# Allegro board Flatburn-main PCB.brd
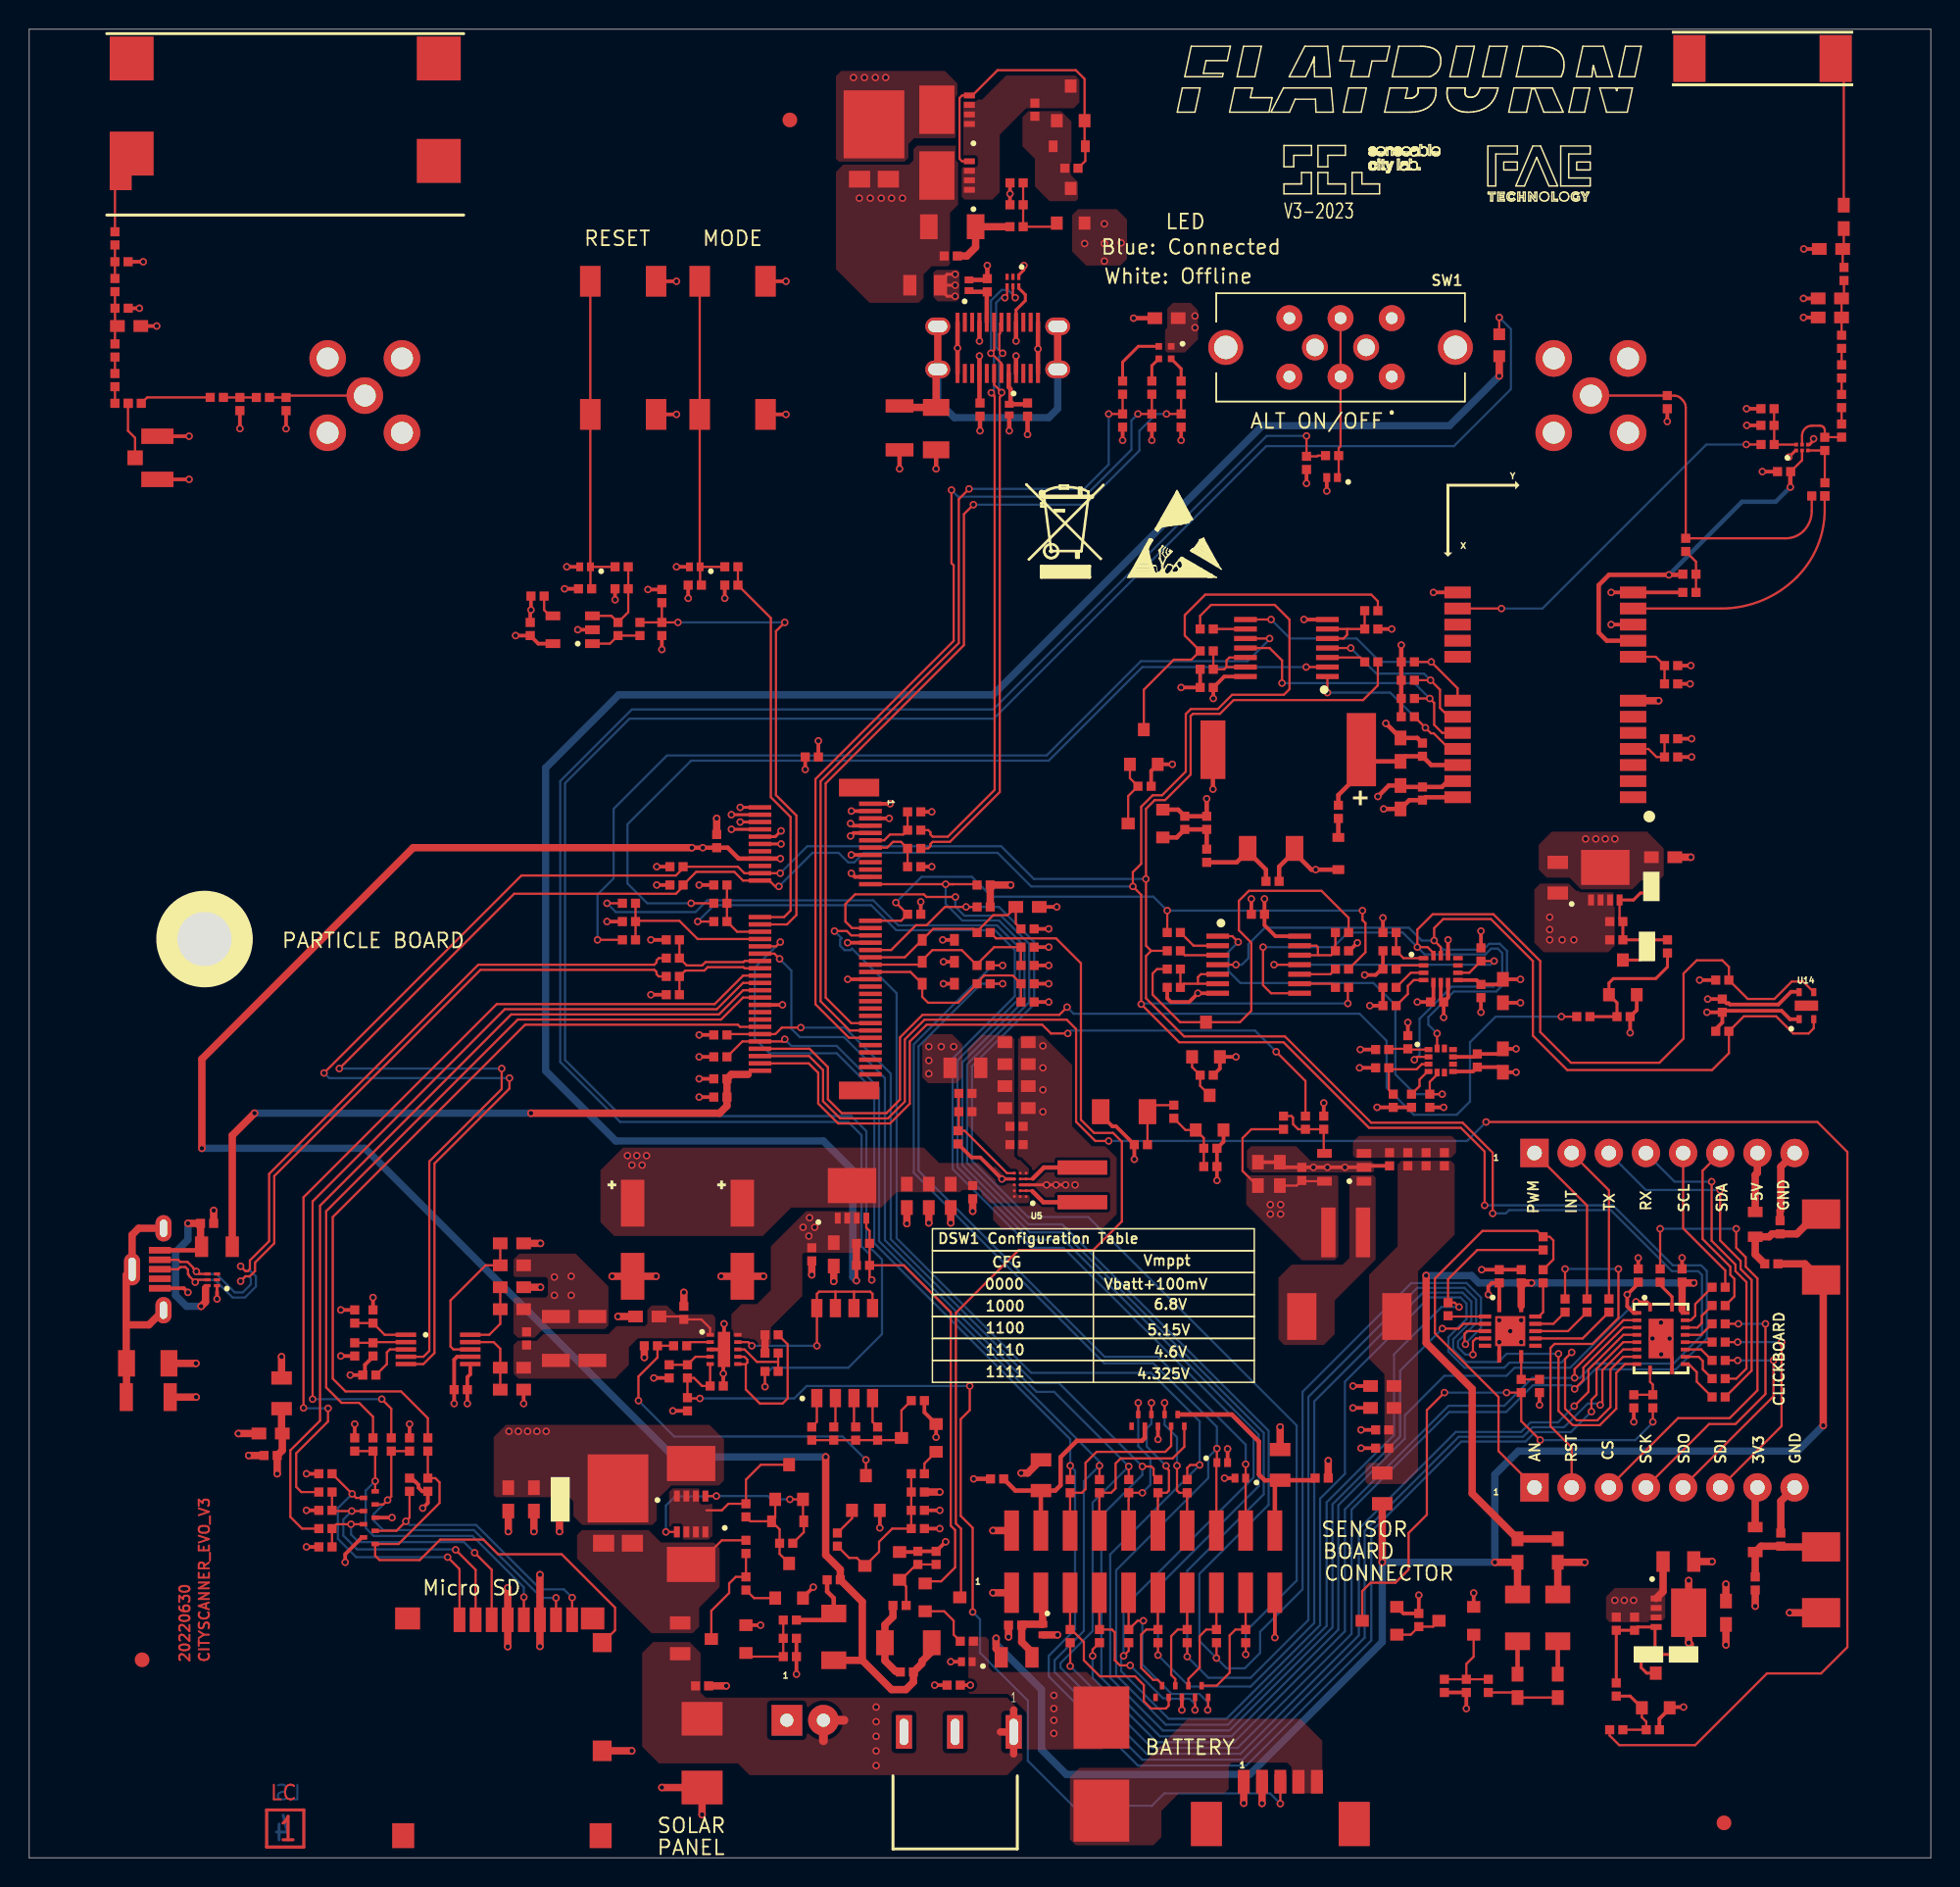
[diagram p0: board, top side]
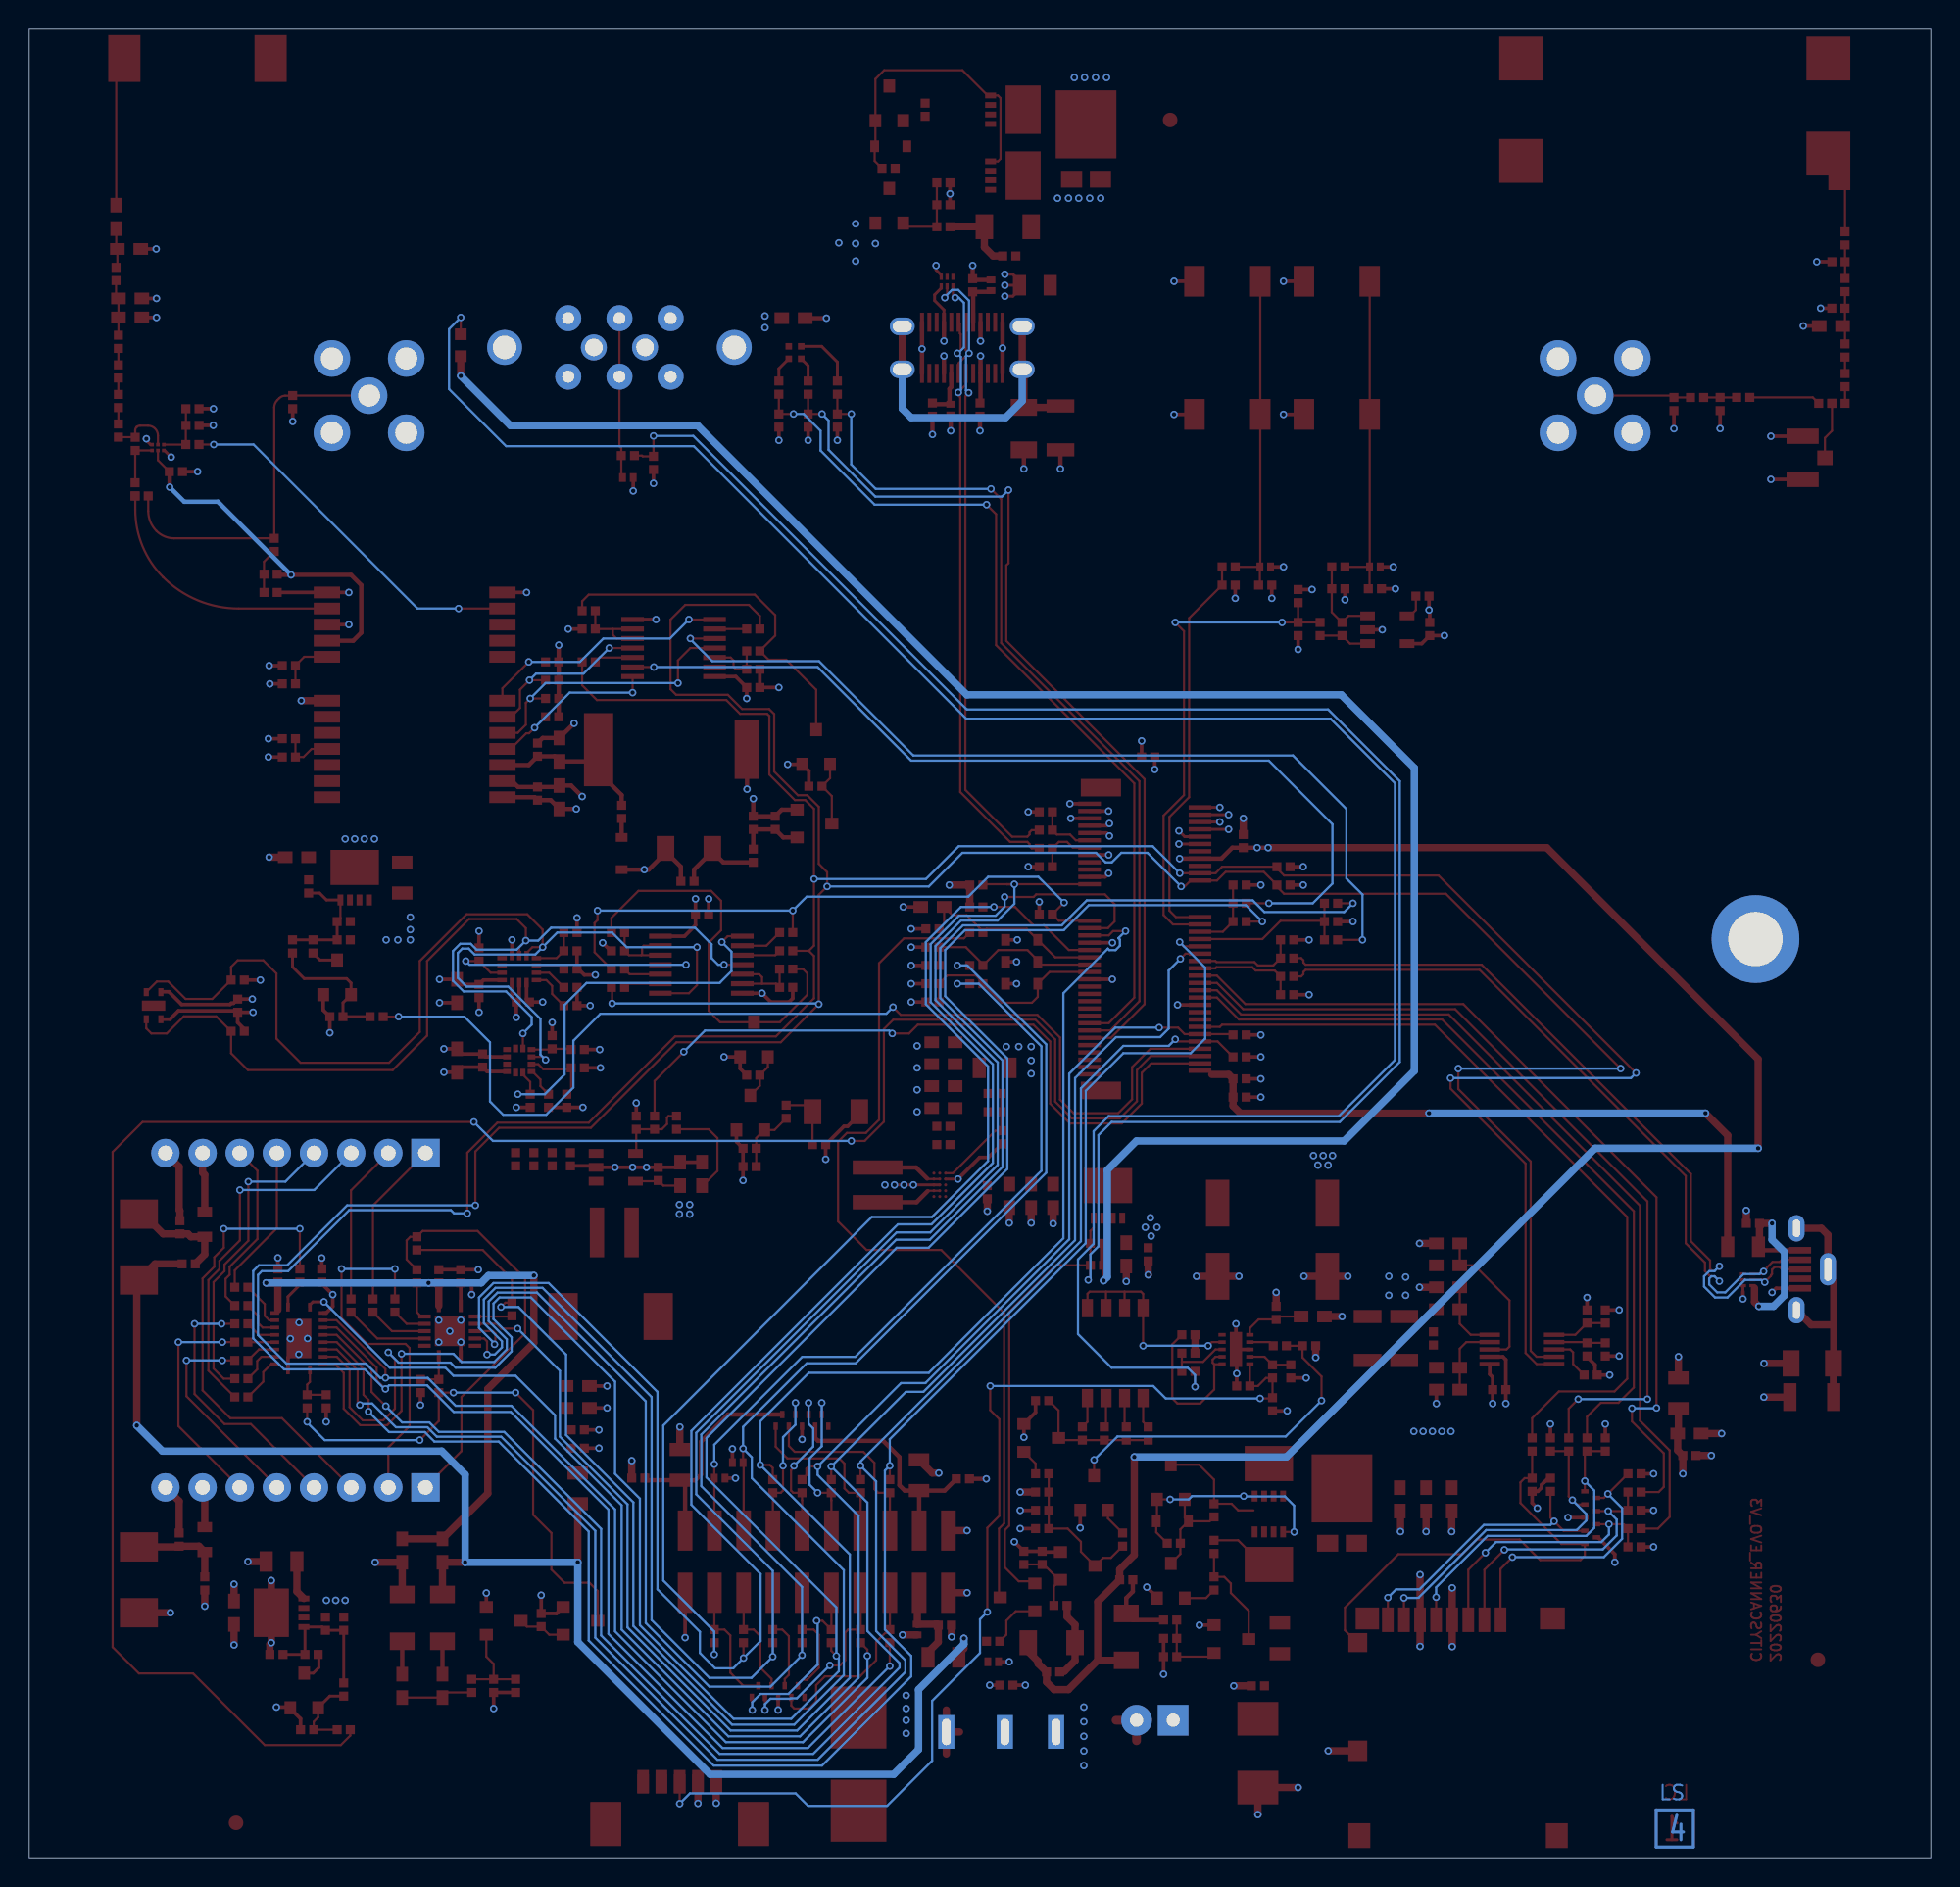
[diagram p1: board, bottom side, seen from below]

Outline 130 x 125 mm; copper layers: TOP, GND, POWER, BOTTOM. Coordinates in mm from the lower left corner of the outline.
Outline path: 0,125 0,0 130,0 130,125 0,125

## Design rules (mm)
constraint set DEFAULT: min track width 0.15
net group USB_90: nets USB_D+ USB_D-
net group USB_SARA_90: nets USB_MODEM_D+ USB_MODEM_D-

## Placement (name value [footprint] x y rotation side)
ANT1  NN02-220  [ANT-NN02-220]  7 123 0 top
ANT2  NN02-224  [ANT-NN02-224]  118.5 123 0 top
C1  100n/50V  [CS-C-0402]  46 11.75 0 top
C2  10u/10V-X5R  [CS-C-0603]  32.75 24.5 270 top
C3  NU  [CS-C-0603]  34.5 24.5 270 top
C4  100k  [RS-0603]  36.3 24.5 90 top
C5  NU  [CS-C-0402]  52 13.75 180 top
C6  10n/1kV  [CS-C-1206]  62 97.75 90 top
C7  100n/50V  [CS-C-0402]  65 99 270 top
C8  10n/50V  [CS-C-0402]  67.5 114.5 0 top
C9  100n/50V  [CS-C-0402]  88.36 25.95 0 top
C10  100n/50V  [CS-C-0402]  66.17 25.9 180 top
C11  100n/50V  [CS-C-0402]  67.4 15.9 180 top
C12  NU  [CS-C-1206]  8.05 33.8 180 top
C13  NU  [CS-C-0402]  12.16 43.37 0 top
C14  NU  [CS-C-0402]  98.25 11.75 90 top
C15  NU  [CS-C-0402]  110 39.8 90 top
C16  NU  [CS-C-0402]  113 39.8 90 top
C17  NU  [CS-C-0402]  100.5 39.75 90 top
C18  NU  [CS-C-0402]  102 39.75 90 top
C19  NU  [CS-C-0402]  119.75 21.75 270 top
C20  NU  [CS-C-0402]  119.7 43.1 90 top
C21  220u/16V  [CS-E-D]  48.75 42.25 90 top
C22  NU  [CS-C-0402]  57 40.5 0 top
C23  220u/16V  [CS-E-D]  41.25 42.25 90 top
C24  100n/50V  [CS-C-0402]  34 35.5 270 top
C25  10u/10V-X5R  [CS-C-0603]  42.25 37 180 top
C26  100n/50V  [CS-C-0402]  44.75 37.25 90 top
C27  100n/50V  [CS-C-0402]  43.75 33.25 270 top
C28  100n/50V  [CS-C-0402]  47 32.25 0 top
C29  NU  [CS-C-0402]  87.32 95.35 270 top
C30  100n/50V  [CS-C-0402]  29.5 32 180 top
C31  1u/16V  [CS-C-0603]  33 42 0 top
C32  10u/10V-X5R  [CS-C-0603]  55 41.25 270 top
C33  NU  [CS-C-0402]  62 20.5 90 top
C34  1u/16V  [CS-C-0603]  33 39 0 top
C35  1u/16V  [CS-C-0603]  33 32 0 top
C36  100n/50V  [CS-C-0402]  53.5 41.25 270 top
C37  NU  [CS-C-0402]  60.75 22.5 0 top
C38  22p/50V-NP0  [CS-C-0402]  64 51 0 top
C39  330p/50V-C0G  [CS-C-0402]  95.5 47.75 90 top
C40  330p/50V-C0G  [CS-C-0402]  96.75 47.75 90 top
C41  10u/10V-X5R  [CS-C-0603]  60 45.25 270 top
C42  10u/10V-X5R  [CS-C-0603]  61.5 45.25 270 top
C43  10u/10V-X5R  [CS-C-0603]  63 45.25 270 top
C44  100n/50V  [CS-C-0402]  64.5 45.5 270 top
C45  100n/50V  [CS-C-0402]  67.5 48.75 0 top
C46  100n/50V  [CS-C-0402]  67.5 50 0 top
C47  10u/10V-X5R  [CS-C-0603]  67.5 51.25 0 top
C48  10u/10V-X5R  [CS-C-0603]  67.5 52.75 0 top
C49  10u/10V-X5R  [CS-C-0603]  67.5 54.25 0 top
C50  10u/10V-X5R  [CS-C-0603]  67.5 55.75 0 top
C51  10u/10V-X5R  [CS-C-0603]  92.5 32.25 180 top
C52  10u/10V-X5R  [CS-C-0603]  92.5 30.75 180 top
C53  100n/50V  [CS-C-0402]  92.5 29.25 180 top
C54  100n/50V  [CS-C-0402]  92.5 28 180 top
C55  100n/50V  [CS-C-0402]  87 46.75 90 top
C56  10u/10V-X5R  [CS-C-0603]  85.5 46.75 90 top
C57  10u/10V-X5R  [CS-C-0603]  84 46.75 90 top
C58  NU  [CS-C-0402]  109.75 16 90 top
C59  NU  [CS-C-0402]  108.5 64 180 top
C60  10u/10V-X5R  [CS-C-0603]  111.7 68.4 0 top
C61  10u/10V-X5R  [CS-C-0603]  116 16.75 270 top
C62  100n/50V  [CS-C-0402]  34.25 84 90 top
C63  100n/50V  [CS-C-0402]  40.5 86.75 180 top
C64  100n/50V  [CS-C-0402]  48 87 180 top
C65  NU  [CS-C-0402]  43.25 86.25 90 top
C67  NU  [CS-C-0402]  60.5 71.5 0 top
C68  NU  [CS-C-0402]  60.5 67.75 0 top
C69  NU  [CS-C-0402]  44 59 180 top
C70  NU  [CS-C-0402]  44 62.75 180 top
C71  100n/50V  [CS-C-0402]  47 69.5 90 top
C72  1u/16V  [CS-C-0603]  68.25 65 0 top
C73  100n/50V  [CS-C-0402]  68.25 62.25 0 top
C74  100n/50V  [CS-C-0402]  68.25 58.5 0 top
C75  100n/50V  [CS-C-0402]  47.25 53.25 180 top
C78  10u/10V-X5R  [CS-C-0603]  77.75 105.25 180 top
C79  100n/50V  [CS-C-0402]  16.5 27.5 180 top
C80  10u/10V-X5R  [CS-C-0603]  16.5 29 180 top
C81  2.4p/100V-C0G  [CS-C-0402]  5.86 101.01 90 top
C82  1.2p/50V-C0G  [CS-C-0402]  5.86 107.51 90 top
C83  0.4p/50V-C0G  [CS-C-0402]  6.31 105.93 180 top
C84  NU  [CS-C-0402]  113.5 86.5 180 top
C85  330mF/3.3V  [CS-SCAP-DSK]  86 75.75 270 top
C86  1u/16V  [CS-C-0603]  93.75 75.75 90 top
C87  100n/50V  [CS-C-0402]  95.25 75.75 90 top
C88  100n/50V  [CS-C-0402]  95.25 72.75 270 top
C89  10u/10V-X5R  [CS-C-0603]  93.75 72.5 270 top
C90  100n/50V  [CS-C-0402]  112.25 80.25 0 top
C91  100n/50V  [CS-C-0402]  80.5 80 180 top
C92  NU  [CS-C-0402]  79 70.75 270 top
C93  100n/50V  [CS-C-0402]  99 54.5 90 top
C94  NU  [CS-C-0603]  100.75 59.25 270 top
C95  NU  [CS-C-0402]  99.25 59.25 270 top
C96  100n/50V  [CS-C-0402]  115.75 58.25 90 top
C97  1u/16V  [CS-C-0603]  100.75 54.5 90 top
C98  NU  [CS-C-0402]  96.25 58.5 0 top
C99  100n/50V  [CS-C-0402]  84 64.5 180 top
C100  NU  [CS-C-0402]  80.75 47.25 180 top
C101  100n/50V  [CS-C-0402]  119.97 94.76 180 top
C102  1n/50V  [CS-C-0402]  123.9 99.58 90 top
C103  100n/50V  [CS-C-0402]  93.25 51.75 270 top
C104  0.9p/50V-C0G  [CS-C-0402]  124.07 108.27 90 top
C105  100n/50V  [CS-C-0402]  110.9 66.4 270 top
C106  100n/50V  [CS-C-0402]  113.1 13.9 180 top
DS1  NU  [TO277-3]  40.25 24.25 0 top
DS2  BAT54J  [SOD323]  50.75 23 0 top
DS3  NU  [TO277-3]  57.75 117.5 0 top
DS4  BAT54J  [SOD323]  70 117 0 top
DS5  NU  [SMA]  122.5 21.25 270 top
DS6  NU  [SMA]  122.5 44 270 top
DS7  SS34  [SMC]  90.25 37 180 top
DS8  BAT54J  [SOD323]  63.25 61.25 180 top
DS9  BAT54J  [SOD323]  63.25 62.75 180 top
DS10  BAT54J  [SOD323]  63.25 59.75 180 top
DS11  BAT54J  [SOD323]  89.5 69.75 270 top
DSW1  DIP-SW-MCDHN-04F-T-V  [DSS-4-0127-MCDHN]  55.75 34.5 0 top
DZ1  NU  [SOD123]  55 13.5 90 top
DZ2  MMSZ5226BT1G  [SOD123]  61.5 111.5 0 top
DZ3  NU  [SOD123]  101.75 18 270 top
DZ4  NU  [SOD123]  104.5 18 270 top
DZ5  MMSZ5226BT1G  [SOD123]  61.7 14.7 180 top
DZ6  MMSZ5221BT1G  [SOD123]  86.5 69 180 top
DZ7  MMSZ5221BT1G  [SOD123]  73.25 51 0 top
F1  0154005-DR  [F-LT154]  73.3 6.4 90 top
F2  NU  [FS-0603]  118 21.75 270 top
F3  NU  [FS-0603]  118 43.3 90 top
FID1  TPS  [FIDUCIAL]  115.86 2.38 0 top
FID2  TPS  [FIDUCIAL]  52 118.8 0 top
FID3  TPS  [FIDUCIAL]  7.72 13.53 0 top
J1  NU  [J-2-0250-MOT-S2B]  53.05 5.95 0 top
J2  54-00125  [J-54-00125]  63.3 3.6 0 top
J4  NU  [J-5-0125-MDS-PICOBLADE]  84.28 5.05 0 top
J5  53261-0571  [J-5-0125-MOS-PICOBLADE]  85.53 2.9 0 top
J6  DX07S024WJ3R400  [J-24-0050-FDS-USBC-DX07]  66.21 103.22 180 top
J7  878322014  [J-10X2-0200-MDS-878322014]  67.16 18.12 0 top
J8  NU  [J-5-0065-FDS-UUSB1051330001]  9.18 40.23 270 top
J9  NU  [J-8-0254-FDT]  111.8 25.32 0 top
J10  NU  [J-8-0254-FDT]  111.8 48.18 0 top
J12  MDT420E01001  [J-75-0050-MOS-M2-E]  52.23 62.8 270 top
J13  uSD - 502774-0891  [J-8-0110-FOS-SD-M502774]  29.41 16.27 180 top
J14  NU  [J-FDT-SMA-73391]  22.94 99.96 0 top
J15  uFL-R-SMT-1-10  [J-3-MDS-UFL]  8.76 95.7 270 top
J16  NU  [J-FDT-SMA-73391]  106.77 99.96 0 top
L1  BLM21PG221SN1D  [LS-0805]  44.5 15 90 top
L2  BLM21PG221SN1D  [LS-0805]  61.25 107.5 180 top
L3  BLM21PG221SN1D  [LS-0805]  85.52 26.86 270 top
L4  NU  [LS-0805]  12.83 41.77 0 top
L5  BLM21PG221SN1D  [LS-0805]  69.17 26.15 270 top
L6  BLM21PG221SN1D  [LS-0805]  67.5 13.7 180 top
L7  XAL4030-682ME  [LS-XAL40]  90 42.75 180 top
L8  XAL4020-102MEB  [LS-XAL40]  72 46 270 top
L9  BLM21PG221SN1D  [LS-0805]  17.25 31.75 270 top
L10  LQW15AN1N3C80D  [LS-0402]  5.86 103.04 90 top
L11  0R  [RS-0402]  5.86 110.7 90 top
L12  LQW18AN8N7G80D  [LS-0603]  6.83 104.71 0 top
L13  LQW15AN14NG80D  [LS-0402]  6.31 109.11 0 top
L14  LQW18AN7N2G80D  [LS-0603]  124.05 112.17 90 top
L15  NU  [LS-0402]  113.25 89.75 90 top
L16  LQW18AN6N0G80D  [LS-0603]  123.18 109.98 180 top
L17  LQW15AN7N5H00D  [LS-0402]  123.9 97.56 90 top
L18  LQW15AN3N9G80D  [LS-0402]  123.91 101.61 90 top
L19  LQW18AN36NG80D  [LS-0603]  123.1 106.6 180 top
L20  LQW18AN33NG80D  [LS-0603]  123.1 105.3 180 top
L21  LQW15AN1N3C80D  [LS-0402]  123.91 103.63 90 top
LD1  GENERICO  [LD-0603]  100.5 103.4 270 top
LD2  SML-LX0404SIUPGUSB  [LD-0404-SMLLX]  77.65 102.9 0 top
MOD1  NEO-M8U-06B  [MOD-NEO-M8U]  109.75 71.5 0 top
NOREF  -  []  115.05 35.25 0 top
NOREF#2  -  []  56.04 114.17 0 top
NOREF#3  -  []  61.26 64.19 90 top
NOREF#4  -  []  23.11 32.69 90 top
NOREF#5  -  []  62.95 61.65 0 top
NOREF#6  -  []  106 66.3 90 top
NOREF#7  -  []  54.49 44.75 90 top
NOREF#8  -  []  12.96 100.14 0 top
NOREF#9  -  []  54.69 29.76 0 top
NOREF#10  -  []  78.69 70.61 0 top
NOREF#11  -  []  102.94 33.01 0 top
NOREF#12  -  []  93.49 79.56 0 top
NOREF#13  -  []  92.24 63.56 0 top
NOREF#14  -  []  55.31 29.14 90 top
NOREF#15  -  []  61.25 16.85 90 top
NOREF#16  -  []  122.3 105.3 0 top
NOREF#17  -  []  10.25 40.73 0 top
NOREF#18  -  []  70.75 113.72 90 top
NOREF#19  -  []  69.06 118.74 90 top
NOREF#20  -  []  54.5 40.85 0 top
NOREF#21  -  []  124.21 97.7 90 top
NOREF#22  -  []  55 13.5 90 top
NOREF#23  -  []  50.3 35.75 0 top
NOREF#24  -  []  77.01 72.94 90 top
NOREF#25  -  []  107.01 57.19 90 top
NOREF#26  -  []  70 117 0 top
NOREF#27  -  []  20.51 30.18 0 top
NOREF#28  -  []  55 40.45 90 top
NOREF#29  -  []  92.86 62.94 90 top
NOREF#30  -  []  22.56 36.24 90 top
NOREF#31  -  []  83.03 5.05 0 top
NOREF#32  -  []  118.39 97.92 0 top
NOREF#33  -  []  100.75 58.45 90 top
NOREF#34  -  []  5.86 102.59 90 top
NOREF#35  -  []  62.95 63.15 0 top
NOREF#36  -  []  102.27 34.98 90 top
NOREF#37  -  []  45 30.55 90 top
NOREF#38  -  []  58 28.55 90 top
NOREF#39  -  []  113.05 86.5 0 top
NOREF#40  -  []  77.05 50.15 90 top
NOREF#41  -  []  89.5 67.55 90 top
NOREF#42  -  []  64.8 65 0 top
NOREF#43  -  []  67.05 50 0 top
NOREF#44  -  []  114.6 121.4 0 top
NOREF#45  -  []  33.3 40.9 0 top
NOREF#46  -  []  66.95 64.6 90 top
NOREF#47  -  []  87 46.3 90 top
NOREF#48  -  []  42.94 83.86 0 top
NOREF#49  -  []  33.3 33.9 0 top
NOREF#50  -  []  64.6 54.7 0 top
NOREF#51  -  []  46.3 35.62 90 top
NOREF#52  -  []  55.14 19.31 0 top
NOREF#53  -  []  6.45 109.42 0 top
NOREF#54  -  []  110.29 63.06 0 top
NOREF#55  -  []  7.03 40.23 0 top
NOREF#56  -  []  79.75 49.75 0 top
NOREF#57  -  []  57.27 38.2 0 top
NOREF#58  -  []  111.21 65.64 90 top
NOREF#59  -  []  59.5 44.85 0 top
NOREF#60  -  []  47.11 66.19 90 top
NOREF#61  -  []  112.3 98.75 90 top
NOREF#62  -  []  71.01 91.26 0 top
NOREF#63  -  []  46.42 18.85 90 top
NOREF#64  -  []  80.96 26.71 0 top
NOREF#65  -  []  60.05 70.25 0 top
NOREF#66  -  []  115.64 33.06 0 top
NOREF#67  -  []  46.8 53.25 0 top
NOREF#68  -  []  80.36 79.69 90 top
NOREF#69  -  []  112.3 121.3 0 top
NOREF#70  -  []  44.11 67.44 90 top
NOREF#71  -  []  97 37.05 90 top
NOREF#72  -  []  60.61 25.94 90 top
NOREF#73  -  []  72 44.82 90 top
NOREF#74  -  []  120.01 43.24 90 top
NOREF#75  -  []  66.72 108.26 0 top
NOREF#76  -  []  68.26 112.69 90 top
NOREF#77  -  []  108.05 8.75 0 top
NOREF#78  -  []  68.11 60.69 90 top
NOREF#79  -  []  77 102.7 90 top
NOREF#80  -  []  46.49 56.56 0 top
NOREF#81  -  []  92.5 38.6 0 top
NOREF#82  -  []  93.25 72.1 0 top
NOREF#83  -  []  46.63 14.95 0 top
NOREF#84  -  []  15.52 99.83 0 top
NOREF#85  -  []  78.86 15.91 0 top
NOREF#86  -  []  54.49 47.15 0 top
NOREF#87  -  []  7.22 32.9 90 top
NOREF#88  -  []  61.5 111.5 0 top
NOREF#89  -  []  6.17 103.18 90 top
NOREF#90  -  []  93.49 80.81 0 top
NOREF#91  -  []  49.31 22.99 90 top
NOREF#92  -  []  119.39 43.86 0 top
NOREF#93  -  []  69.7 117.4 0 top
NOREF#94  -  []  112.31 33.35 90 top
NOREF#95  -  []  101.75 14.8 90 top
NOREF#96  -  []  52.23 52.8 90 top
NOREF#97  -  []  47.39 64.31 0 top
NOREF#98  -  []  89.5 71.05 90 top
NOREF#99  -  []  109.31 97.42 90 top
NOREF#100  -  []  78.39 62.31 0 top
NOREF#101  -  []  59.36 16.94 90 top
NOREF#102  -  []  66.95 15.9 0 top
NOREF#103  -  []  108.81 15.24 90 top
NOREF#104  -  []  64.28 119.83 90 top
NOREF#105  -  []  79.99 47.56 0 top
NOREF#106  -  []  65.72 25.9 0 top
NOREF#107  -  []  83.24 64.81 0 top
NOREF#108  -  []  34.3 86.25 0 top
NOREF#109  -  []  29.36 31.69 90 top
NOREF#110  -  []  92.36 27.69 90 top
NOREF#111  -  []  93.76 60.44 90 top
NOREF#112  -  []  20.11 20.94 90 top
NOREF#113  -  []  19.51 15.43 0 top
NOREF#114  -  []  45.84 98.67 0 top
NOREF#115  -  []  69.17 25.1 90 top
NOREF#116  -  []  103.5 39.3 90 top
NOREF#117  -  []  56.25 23.75 0 top
NOREF#118  -  []  47.76 31.94 90 top
NOREF#119  -  []  123.9 97.11 90 top
NOREF#120  -  []  80.61 46.94 90 top
NOREF#121  -  []  116.26 32.44 90 top
NOREF#122  -  []  51.24 15.31 0 top
NOREF#123  -  []  110.55 8.75 0 top
NOREF#124  -  []  110.25 10.25 0 top
NOREF#125  -  []  8.26 94.7 90 top
NOREF#126  -  []  77.8 60.75 0 top
NOREF#127  -  []  93.49 82.06 0 top
NOREF#128  -  []  36.8 24.9 90 top
NOREF#129  -  []  68.11 63.19 90 top
NOREF#130  -  []  111.99 99.06 90 top
NOREF#131  -  []  118.96 40.29 90 top
NOREF#132  -  []  112.96 13.59 90 top
NOREF#133  -  []  66.7 51.25 0 top
NOREF#134  -  []  20.11 25.94 90 top
NOREF#135  -  []  66.7 54.25 0 top
NOREF#136  -  []  5.55 106.24 0 top
NOREF#137  -  []  79.01 61.69 90 top
NOREF#138  -  []  46.14 12.06 0 top
NOREF#139  -  []  100.25 58.85 0 top
NOREF#140  -  []  97.31 36.74 90 top
NOREF#141  -  []  119.7 42.65 90 top
NOREF#142  -  []  110.9 65.95 90 top
NOREF#143  -  []  62.23 62 90 top
NOREF#144  -  []  122.5 16.75 90 top
NOREF#145  -  []  102.31 31.49 90 top
NOREF#146  -  []  59.05 95.3 90 top
NOREF#147  -  []  54.49 47.15 0 top
NOREF#148  -  []  123.07 93.69 90 top
NOREF#149  -  []  8.26 93.65 90 top
NOREF#150  -  []  111.46 13.59 90 top
NOREF#151  -  []  35.8 25.7 0 top
NOREF#152  -  []  92.05 28 0 top
NOREF#153  -  []  49 18.3 90 top
NOREF#154  -  []  90.68 15.8 90 top
NOREF#155  -  []  41.76 64.94 90 top
NOREF#156  -  []  22.25 36.55 90 top
NOREF#157  -  []  68.55 65.4 0 top
NOREF#158  -  []  96.75 47.3 90 top
NOREF#159  -  []  62.95 54 0 top
NOREF#160  -  []  53.05 75.25 0 top
NOREF#161  -  []  115.64 34.31 0 top
NOREF#162  -  []  94 24.55 90 top
NOREF#163  -  []  78.44 101.26 0 top
NOREF#164  -  []  12.84 39.51 90 top
NOREF#165  -  []  56.75 25.72 90 top
NOREF#166  -  []  111.81 39.94 90 top
NOREF#167  -  []  89.61 61.69 90 top
NOREF#168  -  []  19.07 25.93 90 top
NOREF#169  -  []  51.51 32.94 90 top
NOREF#170  -  []  111.42 15.4 90 top
NOREF#171  -  []  123.6 102.37 0 top
NOREF#172  -  []  58.74 17.56 0 top
NOREF#173  -  []  118.39 99.06 0 top
NOREF#174  -  []  69.01 61.94 90 top
NOREF#175  -  []  11.71 43.37 0 top
NOREF#176  -  []  45.26 34.69 90 top
NOREF#177  -  []  78.86 26.16 0 top
NOREF#178  -  []  33.81 15.43 90 top
NOREF#179  -  []  64.8 63.25 0 top
NOREF#180  -  []  110.71 36.85 0 top
NOREF#181  -  []  104.5 65.95 90 top
NOREF#182  -  []  71.7 112.15 0 top
NOREF#183  -  []  56.55 40.5 0 top
NOREF#184  -  []  116.26 31.19 90 top
NOREF#185  -  []  5.86 109.11 0 top
NOREF#186  -  []  67.64 49.06 0 top
NOREF#187  -  []  96.38 16.2 0 top
NOREF#188  -  []  66.72 108.26 0 top
NOREF#189  -  []  50.34 98.67 90 top
NOREF#190  -  []  80.89 48.81 0 top
NOREF#191  -  []  95.44 51.61 0 top
NOREF#192  -  []  62 27.75 90 top
NOREF#193  -  []  60.64 71.81 0 top
NOREF#194  -  []  101.75 20.2 90 top
NOREF#195  -  []  38.05 36.05 90 top
NOREF#196  -  []  95.92 53.58 0 top
NOREF#197  -  []  70.75 120.72 90 top
NOREF#198  -  []  8.5 7 0 top
NOREF#199  -  []  39.65 40.35 0 top
NOREF#200  -  []  71.17 24.95 90 top
NOREF#201  -  []  90.99 82.06 0 top
NOREF#202  -  []  75.48 15.29 90 top
NOREF#203  -  []  52.45 18.15 0 top
NOREF#204  -  []  83.15 84.65 0 top
NOREF#205  -  []  88.99 61.06 0 top
NOREF#206  -  []  118.5 7 0 top
NOREF#207  -  []  88.55 46.25 90 top
NOREF#208  -  []  115.05 36.5 0 top
NOREF#209  -  []  111.22 15.78 90 top
NOREF#210  -  []  96.06 50.99 90 top
NOREF#211  -  []  85.07 25.11 0 top
NOREF#212  -  []  40.36 86.44 90 top
NOREF#213  -  []  111.31 30.44 90 top
NOREF#214  -  []  49.96 71.8 90 top
NOREF#215  -  []  32.25 24.9 90 top
NOREF#216  -  []  50.61 34.19 90 top
NOREF#217  -  []  111.69 63.06 0 top
NOREF#218  -  []  67.8 61 0 top
NOREF#219  -  []  9.18 37.43 90 top
NOREF#220  -  []  83.3 69 0 top
NOREF#221  -  []  13.58 99.52 90 top
NOREF#222  -  []  80 56.72 90 top
NOREF#223  -  []  111.8 76.5 0 top
NOREF#224  -  []  25.06 27.49 90 top
NOREF#225  -  []  57.76 40.19 90 top
NOREF#226  -  []  47.55 88.25 0 top
NOREF#227  -  []  27.56 27.49 90 top
NOREF#228  -  []  46.42 24.35 90 top
NOREF#229  -  []  76.86 26.16 0 top
NOREF#230  -  []  69.66 101.75 0 top
NOREF#231  -  []  46.8 54.75 0 top
NOREF#232  -  []  15.2 29.4 0 top
NOREF#233  -  []  67.8 56.15 0 top
NOREF#234  -  []  79 70.3 90 top
NOREF#235  -  []  74.75 100.05 90 top
NOREF#236  -  [unnamed#2]  120 82 0 top
NOREF#237  -  []  90.99 84.31 0 top
NOREF#238  -  []  94.19 51.61 0 top
NOREF#239  -  []  6.17 99.12 90 top
NOREF#240  -  []  63.17 17.4 90 top
NOREF#241  -  []  115.44 59.01 0 top
NOREF#242  -  []  89.61 59.19 90 top
NOREF#243  -  []  64.14 51.31 0 top
NOREF#244  -  []  44.27 22.27 0 top
NOREF#245  -  []  75.42 7.68 90 top
NOREF#246  -  []  93.14 62.31 0 top
NOREF#247  -  []  91.67 41.05 90 top
NOREF#248  -  []  92.55 62 0 top
NOREF#249  -  []  93.05 17.55 0 top
NOREF#250  -  []  123.6 104.39 0 top
NOREF#251  -  []  73.17 24.95 90 top
NOREF#252  -  []  33.3 32.4 0 top
NOREF#253  -  []  22.25 27.8 90 top
NOREF#254  -  []  46.49 55.06 0 top
NOREF#255  -  []  71.18 11.49 0 top
NOREF#256  -  []  69.62 24.4 90 top
NOREF#257  -  []  34.3 37.1 90 top
NOREF#258  -  []  70.8 115.5 0 top
NOREF#259  -  []  17.56 98.93 90 top
NOREF#260  -  []  38.36 98.67 0 top
NOREF#261  -  []  89.81 70.74 90 top
NOREF#262  -  []  66.01 59.44 90 top
NOREF#263  -  []  93.25 72.9 90 top
NOREF#264  -  []  61.35 60.85 90 top
NOREF#265  -  []  124.22 101.75 90 top